# Altium PCB RobotCar_PCBDoc.PcbDoc
Units mm, origin at the board's own origin, x right, y up, seen from the top; angles counter-clockwise.
Board outline 169 x 13 mm, 4 copper layers (Top Layer, Layer 1, Layer 2, Bottom Layer), stack 0.603 mm thick; 42 components, 34 nets, 273 pads, 92 vias.
Unrouted connection lines stored in the file: 1.
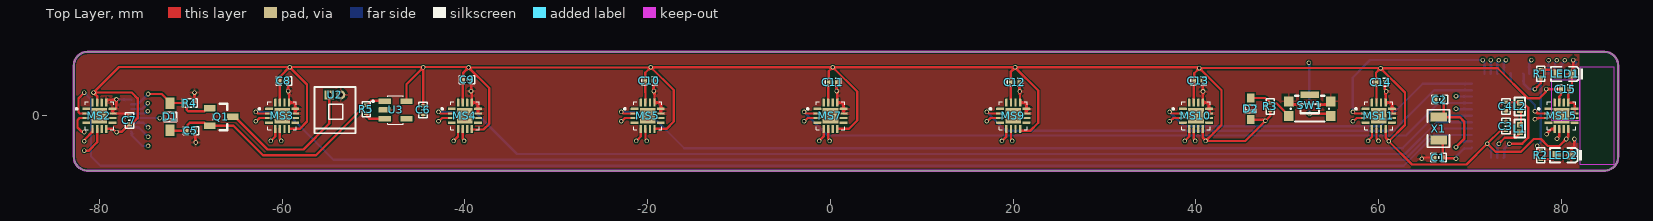
[diagram p0: Top Layer view]
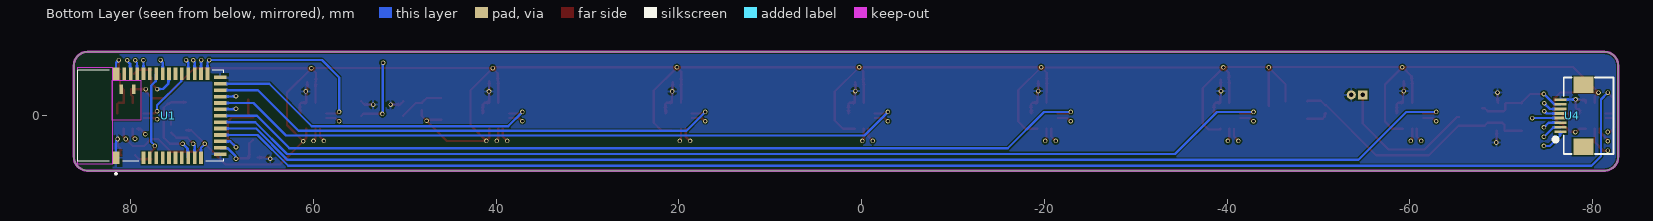
[diagram p1: Bottom Layer view, seen from below]
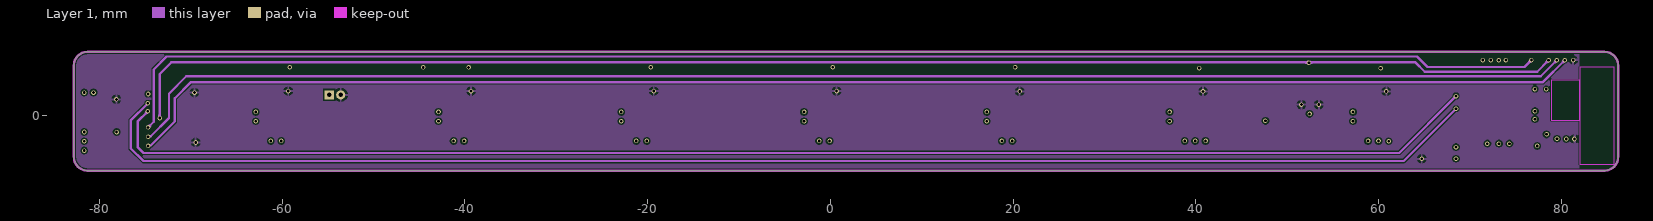
[diagram p2: Layer 1]
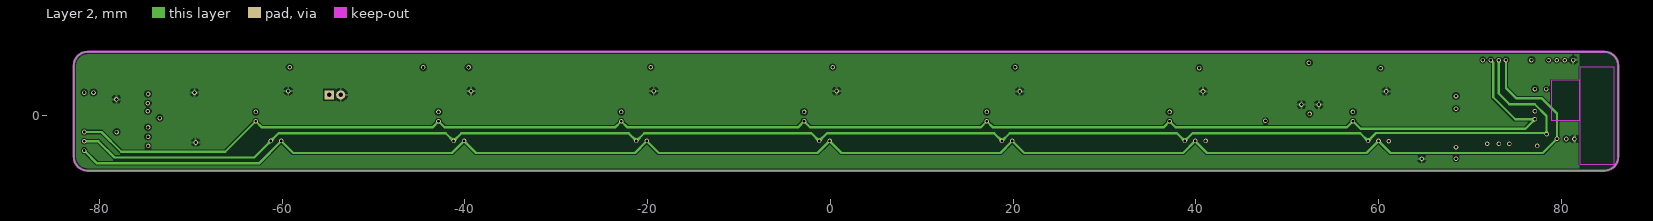
[diagram p3: Layer 2]
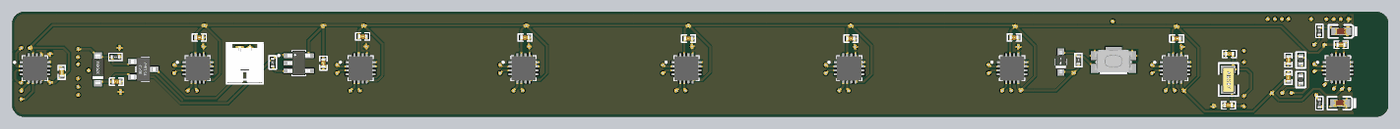
[diagram p4: 3D render of the assembled board from above, using the file's embedded part models]

## Layer stack, top to bottom
Top Solder: solder mask 0.0102, Solder Resist, Dk 3.5
Top Layer: signal copper 0.0356
Dielectric 2: prepreg 0.0711, PP-006, Dk 4.1
Layer 1: signal copper 0.035
Dielectric 1: dielectric 0.32, FR-4, Dk 4.8
Layer 2: signal copper 0.035
Dielectric 3: prepreg 0.0711, PP-006, Dk 4.1
Bottom Layer: signal copper 0.0356
Bottom Solder: solder mask 0.0102, Solder Resist, Dk 3.5

## Board outline
-82.8,-4.5 ccw(c-81.3,-4.5) -81.3,-6 84.7,-6 ccw(c84.7,-4.5) 86.2,-4.5 86.2,5.5 ccw(c84.7,5.5) 84.7,7 -81.3,7 ccw(c-81.3,5.5) -82.8,5.5

## Design rules (kind name [scope] priority, off if disabled: settings)
Clearance [All] p1: gap=0.15 ignorepadtopadclearanceinfootprint=FALSE
PolygonConnect [All] p1: connectstyle=Relief reliefconductorwidth=0.254 reliefentries=4 polygonreliefangle="90 Angle" airgapwidth=0.254
RoutingVias [All] p1: holewidth=0.711 width=1.27 viastyle="Through Hole" minholewidth=0.711 minwidth=1.27 maxholewidth=0.711 maxwidth=1.27
SolderMaskExpansion [All] p1: expansion=0.102 istentingtop=FALSE
Width [All] p1: maxlimit=0.254 minlimit=0.254 preferedwidth=0.254
30 further rules are at their usual default settings.

## Components (designator, comment, footprint, x,y, rotation, side; value= is the part's Value field where it differs from the comment)
C1 "12pF" 0402_C 66.548,-4.572 r0 top
C2 "12pF" 0402_C 66.675,1.778 r0 top
C3 "10uF" 0402_C 73.914,-1.143 r90 top
C4 "1uF" 0402_C 73.914,1.016 r270 top
C5 "10uF" 0402_C -69.977,-1.651 r180 top
C6 "10uF" 0402_C -44.577,0.635 r90 top
C7 "0.1uF" 0402_C -76.708,-0.508 r270 top
C8 "0.1uF" 0402_C -59.817,3.81 r180 top
C9 "0.1uF" 0402_C -39.751,3.937 r180 top
C10 "0.1uF" 0402_C -19.812,3.81 r180 top
C11 "0.1uF" 0402_C 0.254,3.683 r180 top
C12 "0.1uF" 0402_C 20.193,3.683 r180 top
C13 "0.1uF" 0402_C 40.259,3.81 r180 top
C14 "0.1uF" 0402_C 60.198,3.683 r180 top
C15 "0.1uF" 0402_C 80.391,2.921 r180 top
D1 "LMBR120FT1G" SOD-123 -72.263,-0.127 r90 top
D2 "1N4148" SOD-323F 45.974,0.762 r90 top
L1 "10uH" 0402_L 75.438,-1.397 r90 top
L2 "15nH" 0402_L 75.438,1.016 r90 top
LED1 "RED" 0603_LED_S1 80.383,4.572 r180 top
LED2 "BLUE" 0603_LED_S1 80.256,-4.318 r180 top
MS2 "MLX90393SLW ABA 011 RE" VQFN-16_EP_3.0x3.0xo.5P -80,0 r0 top locked
MS3 "MLX90393SLW ABA 011 RE" VQFN-16_EP_3.0x3.0xo.5P -60,0 r0 top locked
MS4 "MLX90393SLW ABA 011 RE" VQFN-16_EP_3.0x3.0xo.5P -40,0 r0 top locked
MS5 "MLX90393SLW ABA 011 RE" VQFN-16_EP_3.0x3.0xo.5P -20,0 r0 top locked
MS7 "MLX90393SLW ABA 011 RE" VQFN-16_EP_3.0x3.0xo.5P 0,0 r0 top locked
MS9 "MLX90393SLW ABA 011 RE" VQFN-16_EP_3.0x3.0xo.5P 20,0 r0 top locked
MS10 "MLX90393SLW ABA 011 RE" VQFN-16_EP_3.0x3.0xo.5P 40,0 r0 top locked
MS11 "MLX90393SLW ABA 011 RE" VQFN-16_EP_3.0x3.0xo.5P 60,0 r0 top locked
MS15 "MLX90393SLW ABA 011 RE" VQFN-16_EP_3.0x3.0xo.5P 80,0 r0 top locked
Q1 "SI2301CDS-T1-GE3" SOT-23(SOT-23-3) -66.675,-0.127 r180 top
R1 "1KΩ" 0402_R 77.724,4.616 r90 top
R2 "1KΩ" 0402_R 77.724,-4.318 r270 top
R3 "10KΩ" 0402_R 48.133,1.016 r90 top
R4 "100KΩ" 0402_R -70.104,1.397 r180 top
R5 "100KΩ" 0402_R -50.8,0.718 r90 top
SW1 "KMR231GLFS" KMR231GLFS 52.451,1.143 r0 top
U1 "MDBT42Q-512KV2" SMD_10.0X16.0 75.876,0 r90 bottom locked
U2 "CELL HOLDER" "BAT_MX 1.25-WI-2P" -54.219,2.286 r0 top
U3 "AP2112K-3.3TRG1" SOT95P285X140-5N -47.583,0.635 r0 top
U4 "USB_CHARGING_BOARD" "FPC0.5 2H-WS-8P" -78.994,0 r90 bottom
X1 "32.768KHz" "SMD-3215_2P FC - 135" 66.548,-1.397 r270 top

## Footprints (in the part's own frame and the unit in brackets; to place one, negate y for a bottom-side part, rotate by r counter-clockwise, add the part's x,y. Pads: shape width x height; smd on the part's side, far side on the other; paste and mask are expansions set on the pad)
0402_C [mm] "无极性贴片电容"
  rect 0.4x0.5 smd: 1(-0.45,0) 2(0.45,0)
  silkscreen extent -0.85,-0.45 0.85,0.45, body extent -0.5,-0.26 0.5,0.26, height 0.54
0402_L [mm]
  rect 0.6x0.65 smd mask+0.051: 1(-0.425,0) 2(0.425,0)
  silkscreen extent -0.97,-0.58 0.97,0.58, body extent -0.51,-0.26 0.54,0.26, height 0.36
0402_R [mm] "1/16W贴片电阻"
  rect 0.4x0.5 smd: 1(-0.425,0) 2(0.425,0)
  silkscreen extent -0.82,-0.45 0.83,0.45, body extent -0.5,-0.25 0.5,0.25, height 0.3
0603_LED_S1 [mm]
  rect 0.93x0.98 smd: A(0.77,0) K(-0.77,0)
  silkscreen extent -1.97,-0.79 1.54,0.79, body extent -0.8,-0.4 0.8,0.4, height 0.6
"BAT_MX 1.25-WI-2P" [mm] "长：4.25mm，宽：1.8mm，高：3.3mm"
  rect 1x1 hole 0.5: 1(-0.625,0)
  round 1 hole 0.5: 2(0.625,0)
  silkscreen extent -2.24,-4.19 2.24,0.85, body extent -2.12,-4.05 2.13,0.85, height 3.35
"FPC0.5 2H-WS-8P" [mm] "长：8.2mm，宽：5.2mm，高：2mm 淘宝ID:黄晶宝石   店铺网址:https://shop463601444.taobao.com"
  rect 1.8x2.2 smd: 0(-3.4,0) 0(3.4,0)
  rect 0.3x1.3 smd: 1(-1.75,2.497) 2(-1.25,2.497) 3(-0.75,2.497) 4(-0.25,2.497) 5(0.25,2.497) 6(0.75,2.497) 7(1.25,2.497) 8(1.75,2.497)
  silkscreen extent -4.17,-3.3 4.17,3.23, body extent -3.75,-2.99 3.75,2.41, height 2.92
KMR231GLFS [mm]
  rect 1x1.1 smd: 1(-2.3,-1.162) 2(-2.3,0.438) 3(2.3,-1.162) 4(2.3,0.438)
  rect 2x0.7 smd: 5(0,1.162)
  silkscreen extent -2.1,-1.76 2.1,1.04, body extent -2.31,-1.65 2.29,1.15, height 1.92
"SMD-3215_2P FC - 135" [mm]
  rect 1x1.8 smd: 1(-1.25,0) 2(1.25,0)
  silkscreen extent -2.05,-1.2 2.05,1.2, body extent -1.55,-0.75 1.65,0.75, height 0.89
SMD_10.0X16.0 [mm]
  rect 1.4x0.8 smd: 1(-4.6,5.7) 39(4.6,5.7)
  rect 1.4x0.4 smd: 2(-4.6,2.7) 3(-4.6,2) 4(-4.6,1.3) 5(-4.6,0.6) 6(-4.6,-0.1) 7(-4.6,-0.8) 8(-4.6,-1.5) 9(-4.6,-2.2) 10(-4.6,-2.9) 11(-4.6,-3.6) 25(4.6,-4.3) 26(4.6,-3.6) 27(4.6,-2.9) 28(4.6,-2.2) 29(4.6,-1.5) 30(4.6,-0.8) 31(4.6,-0.1) 32(4.6,0.6) 33(4.6,1.3) 34(4.6,2) 35(4.6,2.7) 36(4.6,3.4) 37(4.6,4.1) 38(4.6,4.8)
  rect 0.4x1.4 smd: 12(-4.2,-5.7) 13(-3.5,-5.7) 14(-2.8,-5.7) 15(-2.1,-5.7) 16(-1.4,-5.7) 17(-0.7,-5.7) 18(0,-5.7) 19(0.7,-5.7) 20(1.4,-5.7) 21(2.1,-5.7) 22(2.8,-5.7) 23(3.5,-5.7) 24(4.2,-5.7)
  rect 1x0.4 smd: 40(2.9,5.15) 41(2.9,3.75)
  Keep-Out Layer region: 5.3,6.1 -5.3,6.1 -5.3,9.9 5.3,9.9
  Keep-Out Layer region: 5.3,6.1 -5.3,6.1 -5.3,9.9 5.3,9.9
  Keep-Out Layer region: 3.9,3 -0.5,3 -0.5,6.1 3.9,6.1
  Keep-Out Layer region: 5.3,6.1 -5.3,6.1 -5.3,9.9 5.3,9.9
  silkscreen extent -6.45,-6.1 5,9.9, body extent -5,-6.09 5,9.9, height 2.2
SOD-123 [mm]
  rect 1.25x1 smd: 1(1.475,0) 2(-1.475,0)
  silkscreen extent -0.5,-0.7 0.5,0.7, body extent -1.85,-0.77 1.85,0.78, height 1.35
SOD-323F [mm]
  rect 1x0.83 smd: 1(1.18,0) 2(-1.18,0)
  silkscreen extent -0.4,-0.6 0.4,0.6, body extent -1.4,-0.67 1.4,0.68, height 0.75
SOT95P285X140-5N [mm]
  rrect15% 1.35x0.6 smd: 1(-1.185,0.95) 2(-1.185,0) 3(-1.185,-0.95) 4(1.185,-0.95) 5(1.185,0.95)
  silkscreen extent -2.57,-1.55 0.85,1.55, body extent -1.4,-1.5 1.4,1.5, height 1.4
SOT-23(SOT-23-3) [mm]
  rect 1.25x0.7 smd: 1(1.25,-0.95) 2(1.25,0.95) 3(-1.25,0)
  silkscreen extent -0.65,-1.46 0.9,1.46, body extent -1.5,-1.5 1.5,1.5, height 1.3
VQFN-16_EP_3.0x3.0xo.5P [mm]
  rrect25% 0.86x0.26 smd: 1(-1.435,0.75) 2(-1.435,0.25) 3(-1.435,-0.25) 4(-1.435,-0.75) 9(1.435,-0.75) 10(1.435,-0.25) 11(1.435,0.25) 12(1.435,0.75)
  rrect25% 0.26x0.86 smd: 5(-0.75,-1.435) 6(-0.25,-1.435) 7(0.25,-1.435) 8(0.75,-1.435) 13(0.75,1.435) 14(0.25,1.435) 15(-0.25,1.435) 16(-0.75,1.435)
  rect 1.71x1.71 smd paste-2: 17(0,0)
  silkscreen extent -2.59,-1.55 1.55,1.55, body extent -1.55,-1.55 1.55,1.55, height 1

## Part data
C1 C2: library part CAP_12pF, "capacitance"
C3 C4 C5 C6: library part CAP_10uF, "capacitance", Package=0805, SuppliersPartNumber=C15850, ComponentLink1Description=供应商链接, ComponentLink1URL=http://www.szlcsc.com/product/details_16532.html, Supplier=LC
C7 C8 C9 C10 C11 C12 C13 C14 C15: library part CAP_1uF, "capacitance", Package=0603, SuppliersPartNumber=C15849, ComponentLink1Description=供应商链接, ComponentLink1URL=http://www.szlcsc.com/product/details_16531.html, Supplier=LC
D1: library part DIO_5, "schottky diode", Package=SOD-123, SuppliersPartNumber=C8598, ComponentLink1Description=供应商链接, ComponentLink1URL=http://www.szlcsc.com/product/details_9093.html, Supplier=LC
D2: library part DIO_4, "diode", Package=SOD-323, SuppliersPartNumber=C2128, ComponentLink1Description=供应商链接, ComponentLink1URL=http://www.szlcsc.com/product/details_2485.html, Supplier=LC
L1: library part IND_10uH, "inductance", Package=0805, SuppliersPartNumber=C1046, ComponentLink1Description=供应商链接, ComponentLink1URL=http://www.szlcsc.com/product/details_1398.html, Supplier=LC
L2: library part IND_15nH, "inductance", Package=0805, SuppliersPartNumber=C1046, ComponentLink1Description=供应商链接, ComponentLink1URL=http://www.szlcsc.com/product/details_1398.html, Supplier=LC
LED1: library part LED_RED, "LED", Package=0603, SuppliersPartNumber=C2286, ComponentLink1Description=供应商链接, ComponentLink1URL=http://www.szlcsc.com/product/details_2659.html, Supplier=LC
LED2: library part LED_BLUE, "LED", Package=0603, SuppliersPartNumber=C72041, ComponentLink1Description=供应商链接, ComponentLink1URL=http://www.szlcsc.com/product/details_73150.html, Supplier=LC
MS2 MS3 MS4 MS5 MS7 MS9 MS10 MS11 MS15: "sensor"
Q1: library part MOS, "field effect tube", Package=SOT-23(SOT-23-3), SuppliersPartNumber=C10487, ComponentLink1Description=供应商链接, ComponentLink1URL=http://www.szlcsc.com/product/details_11030.html, Supplier=LC
R1 R2 R3: library part RES_1KΩ, "resistance", Package=0603, SuppliersPartNumber=C25819, ComponentLink1Description=供应商链接, ComponentLink1URL=http://www.szlcsc.com/product/details_26562.html, Supplier=LC
R4 R5: library part RES_100KΩ, "resistance", Package=0603, SuppliersPartNumber=C25819, ComponentLink1Description=供应商链接, ComponentLink1URL=http://www.szlcsc.com/product/details_26562.html, Supplier=LC
SW1: "Tactile Switch SPST-NO Top Actuated Surface Mount"
U1: "RAYTAC  MDBT42Q-512KV2 Bluetooth Low Energy Module https://www.raytac.com/product/ins.php?index_id=31 https://www.snapeda.com/parts/MDBT42Q-512KV2/Raytac%20Corporation/view-part/?ref=search&t=MDBT42Q-512KV2"
U2: library part BAT, "button cell battary holder BS-08-B2AA025"
U3: library part AP2112K, "LDO_ low dropout linear regulator"
X1: library part ABS07-32.768KHZ-7-T, "crystal", Package=SMD-3215_2P, SuppliersPartNumber=C32346, ComponentLink1Description=供应商链接, ComponentLink1URL=http://www.szlcsc.com/product/details_33310.html, Supplier=LC

## Via types
v1: diameter 0.5, hole 0.3, Top Layer to Bottom Layer, 92 vias

## Nets (pads, with @x,y where several pads share a name; then routed paths per layer and width w, separated by ;. In a path a pad name is that pad's centre, name@x,y a point inside that pad or via, vN(x,y) a via of type N, cw(c..) or ccw(c..) an arc to the next point about the centre after c; other vN are vias at no path point)
2: MS2.2 U1.15 | length 163.5
  Top Layer w0.254: v1(-81.661,2.54) -82.296,1.905 -82.296,0.402 -82.147,0.253 -81.438,0.253 MS2.2
  Bottom Layer w0.254: v1(-81.661,2.54) -80.911,1.79 -80.911,-4.433 -79.883,-5.461 62.738,-5.461 66.099,-2.1 U1.15
3: MS3.2 U1.16 | length 138.2
  Top Layer w0.254: v1(-62.89,0.42) -62.823,0.42 -62.654,0.25 MS3.2
  Bottom Layer w0.254: v1(-62.89,0.42) -59.602,0.42 -54.356,-4.826 62.801,-4.826 66.227,-1.4 U1.16
3V3: C3.1 C6.2 C7.2 C8.2 C9.2 C10.2 C11.2 C12.2 C13.2 C14.2 C15.2 D2.2 MS2.8 MS2.15 MS3.8 MS3.15 MS4.8 MS4.15 MS5.8 MS5.15 MS7.8 MS7.15 MS9.8 MS9.15 MS10.8 MS10.15 MS11.8 MS11.15 MS15.8 MS15.15 R3.1 U1.11 U3.5 | length 323.8
  Top Layer w0.254: MS2.15 -80.25,2.145 v1(-80.645,2.54) ; MS2.8 -78.529,-1.435 -78.183,-1.781 v1(-78.116,-1.781) -78.069,-1.734 -77.534,-1.734 -76.685,-0.885 -76.45,-0.885 -75.819,-0.254 -75.819,1.905 -76.454,2.54 v1(-80.645,2.54) ; MS3.15 -60.25,1.735 -60.267,1.752 C8.2 -60.194,3.883 -60.194,4.322 v1@-59.182,5.334 ; MS3.8 -58.077,-1.435 -57.277,-0.635 -57.277,3.429 v1@-59.182,5.334 ; v1(-59.182,5.315) -59.201,5.334 -77.851,5.334 v1(-80.645,2.54) ; U3.5 -46.398,3.444 v1@-44.565,5.277 ; C6.2 -44.565,1.096 v1@-44.565,5.277 ; v1(-44.554,5.288) v1@-44.565,5.277 ; MS4.15 -40.25,3.888 C9.2 -40.201,4.688 v1(-39.601,5.288) ; MS4.8 -39.25,-1.502 -39.247,-1.505 -37.954,-1.505 -37.338,-0.889 -37.338,3.025 v1(-39.601,5.288) ; MS5.15 -20.25,2.539 -20.262,2.551 C10.2 -20.262,4.713 v1@-19.657,5.318 ; v1(-19.657,5.315) -19.684,5.288 v1(-39.601,5.288) ; MS5.8 -17.945,-1.435 -17.145,-0.635 -17.145,2.809 -19.657,5.321 0.235,5.321 v1(0.241,5.315) ; MS7.15 -0.25,3.629 C11.2 -0.196,4.884 v1@0.241,5.321 ; MS7.8 1.994,-1.435 2.921,-0.508 2.921,2.641 v1@0.241,5.321 ; MS9.15 19.747,1.438 19.747,1.799 19.743,1.803 C12.2 19.743,4.835 v1(20.206,5.297) ; v1@20.18,5.321 v1@0.241,5.321 ; MS9.8@20.75,-1.651 21.844,-1.651 22.733,-0.762 22.733,2.77 v1(20.206,5.297) ; MS10.15 C13.2@39.75,3.81 ; C13.2 39.809,4.664 v1(40.365,5.22) ; v1@40.365,5.297 v1(20.206,5.297) ; MS10.8 40.75,-2.392 41.047,-2.689 v1(41.047,-2.755) ; D2.2 47.397,-0.418 47.534,-0.555 v1(47.601,-0.555) ; R3.1 48.133,-0.022 v1(47.601,-0.555) ; MS11.15 59.75,2.54 59.748,2.542 C14.2 59.69,3.741 59.69,4.699 v1(60.198,5.207) ; MS11.8 60.75,-2.39 61.087,-2.727 v1(61.087,-2.794) ; C3.1 73.337,-1.593 v1(71.882,-3.048) ; v1(78.334,2.918) 78.287,2.871 78.287,2.638 77.553,1.905 76.327,1.905 73.025,5.207 v1(60.198,5.207) ; v1@78.335,2.919 79.939,2.919 C15.2 79.941,2.29 79.753,2.102 79.753,1.438 MS15.15 ; MS15.8 80.747,-1.438 80.747,-2.244 80.518,-2.473 v1(80.518,-2.54) 79.756,-3.302 78.503,-3.302 77.741,-2.54 76.962,-2.54 75.565,-3.937 72.771,-3.937 v1(71.882,-3.048) ; v1@-59.182,5.334 -39.647,5.334 v1(-39.601,5.288) ; v1(40.365,5.22) 60.185,5.22 v1(60.198,5.207) ; v1(40.365,5.22) 42.799,2.785 42.799,-1.004 41.877,-1.926 v1(41.047,-2.755) ; v1(41.047,-2.755) 45.4,-2.755 v1(47.601,-0.555) ; v1(60.198,5.207) 62.865,2.54 62.865,-1.016 v1(61.087,-2.794) ; v1(61.087,-2.794) 63.627,-5.334 69.596,-5.334 v1(71.882,-3.048)
  Bottom Layer w0.254: v1(71.882,-3.048) 71.882,-3.115 72.276,-3.509 U1.11
4: MS4.2 U1.17 | length 117.9
  Top Layer w0.254: v1(-42.89,0.42) -42.823,0.42 -42.654,0.25 MS4.2
  Bottom Layer w0.254: v1(-42.89,0.42) -38.901,0.42 -34.29,-4.191 62.865,-4.191 66.356,-0.7 U1.17
5: MS5.2 U1.18 | length 97.7
  Top Layer w0.254: v1(-22.89,0.42) -22.823,0.42 -22.654,0.25 MS5.2
  Bottom Layer w0.254: v1(-22.89,0.42) -19.978,0.42 -16.002,-3.556 62.611,-3.556 66.167,0 U1.18
7: MS7.2 U1.20 | length 77.1
  Top Layer w0.254: v1(-2.89,0.42) -2.823,0.42 -2.654,0.25 MS7.2
  Bottom Layer w0.254: v1(-2.89,0.42) -0.311,-2.159 62.992,-2.159 66.551,1.4 U1.20 U1.20@70.177,1.398
9: MS9.2 U1.22 | length 57.3
  Top Layer w0.254: v1(17.11,0.42) 17.177,0.42 17.346,0.25 MS9.2
  Bottom Layer w0.254: v1(17.11,0.42) 19.181,-1.651 61.595,-1.651 66.046,2.8 U1.22 U1.22@70.179,2.797
10: MS10.2 U1.23 | length 37.2
  Top Layer w0.254: v1(37.11,0.42) 37.177,0.42 37.346,0.25 MS10.2
  Bottom Layer w0.254: v1(37.11,0.42) 38.673,-1.143 60.165,-1.143 64.808,3.5 U1.23
11: MS11.2 U1.25 | length 21.8
  Top Layer w0.254: v1(57.176,0.42) 57.243,0.42 57.412,0.25 MS11.2
  Bottom Layer w0.254: v1(57.176,0.42) 57.15,0.446 57.15,4.191 59.055,6.096 v1(71.374,6.096) 71.374,6.029 71.576,5.827 U1.25
15: MS15.2 U1.29 | length 6.9
  Top Layer w0.254: v1(77.089,0.508) 77.156,0.508 77.414,0.25 MS15.2
  Bottom Layer w0.254: U1.29@74.443,4.667 U1.29 74.449,4.527 74.449,3.783 77.089,1.143 v1(77.089,0.508)
GND: C1.1 C2.1 C3.2 C4.2 C5.1 C6.1 C7.1 C8.1 C9.1 C10.1 C11.1 C12.1 C13.1 C14.1 C15.1 LED1.K LED2.K MS2.11 MS2.12 MS2.13 MS3.11 MS3.12 MS3.13 MS4.11 MS4.12 MS4.13 MS5.11 MS5.12 MS5.13 MS7.11 MS7.12 MS7.13 MS9.11 MS9.12 MS9.13 MS10.11 MS10.12 MS10.13 MS11.11 MS11.12 MS11.13 MS15.11 MS15.12 MS15.13 R4.1 SW1.2 SW1.4 U1.1 U1.12 U1.24 U1.39 U2.2 U3.2 U4.8 | length 55.3
  Top Layer w0.254: MS2.13 -79.25,1.724 -79.247,1.727 -78.273,1.727 -78.253,1.747 -78.159,1.747 v1@-78.14,1.727 ; v1(-78.14,1.794) -78.14,0.875 -78.265,0.75 MS2.12 MS2.11 -77.066,0.25 -76.758,-0.058 C7.1 ; R4.1 -69.606,1.47 -69.606,1.899 -69.596,1.909 v1(-69.596,2.54) ; C5.1 -69.498,-1.68 -69.498,-2.892 v1(-69.469,-2.921) ; C8.1 -59.35,3.793 -59.35,2.722 v1(-59.334,2.706) -59.334,2.639 -59.25,2.555 MS3.13 -58.714,1.435 -58.565,1.286 MS3.12 MS3.11 ; v1(-39.334,2.706) -39.334,2.639 -39.25,2.555 MS4.13 -38.773,1.435 -38.565,1.227 MS4.12 MS4.11 ; v1@-39.301,2.886 C9.1 ; C10.1 -19.348,3.796 -19.348,2.72 v1(-19.334,2.706) -19.334,2.639 -19.25,2.555 MS5.13 -18.707,1.435 -18.542,1.27 -18.542,0.753 -18.545,0.75 MS5.12 MS5.11 ; C11.1 0.666,3.645 0.666,2.639 0.75,2.555 MS7.13 1.286,1.435 1.435,1.286 MS7.12 MS7.11 ; C12.1 20.672,3.654 20.672,2.696 v1(20.701,2.667) 20.747,2.621 20.747,1.438 MS9.13 21.298,1.435 21.463,1.27 21.463,0.753 21.46,0.75 MS9.12 MS9.11 ; C13.1 40.738,3.781 40.738,2.696 v1(40.767,2.667) 40.753,2.653 40.753,1.438 MS10.13 41.237,1.435 41.435,1.237 MS10.12 MS10.11 ; SW1.2 50.509,1.223 v1(51.538,1.223) ; v1(53.443,1.223) 54.393,1.223 SW1.4 ; C14.1 60.648,2.919 60.833,2.734 v1(60.833,2.667) 60.833,2.6 60.75,2.517 MS11.13 61.303,1.435 61.468,1.27 61.468,0.753 61.465,0.75 MS11.12 MS11.11 ; v1(64.701,-4.713) 64.767,-4.713 64.908,-4.572 C1.1 ; LED2.K 81.094,-4.25 81.094,-3.596 81.407,-3.283 v1(81.407,-2.54) ; v1(81.28,6.096) 81.28,4.699 LED1.K 81.153,3.283 80.841,2.971 80.841,2.871 80.75,2.78 MS15.13 81.286,1.435 81.435,1.286 MS15.12 MS15.11
  Bottom Layer w0.254: v1(-78.14,1.794) -78.118,1.772 -76.519,1.772 U4.8 ; v1(81.28,6.096) 81.576,5.8 U1.39 ; v1(81.407,-2.54) 81.407,-2.607 81.576,-2.776 U1.1
  other v1: 0.666,2.706
MISO: MS2.6 MS3.6 MS4.6 MS5.6 MS7.6 MS9.6 MS10.6 MS11.6 MS15.6 U1.28 | length 198.8
  Top Layer w0.254: v1(-81.661,-3.81) -81.153,-3.81 -80.25,-2.907 MS2.6 ; MS3.6 -60.25,-2.535 -60.096,-2.689 v1(-60.096,-2.755) ; MS4.6 -40.25,-2.535 -40.096,-2.689 v1(-40.096,-2.755) ; MS5.6 -20.25,-2.535 -20.096,-2.689 v1(-20.096,-2.755) ; MS7.6 -0.25,-2.535 -0.096,-2.689 v1(-0.096,-2.755) ; MS9.6 19.75,-2.535 19.904,-2.689 v1(19.904,-2.755) ; MS10.6 39.75,-2.535 39.904,-2.689 v1(39.904,-2.755) ; MS11.6 59.75,-2.469 59.97,-2.689 v1(59.97,-2.755) ; v1(79.502,-2.517) 79.502,-2.494 79.75,-2.246 MS15.6
  Layer 2 w0.254: v1(-81.661,-3.81) -80.264,-5.207 -62.547,-5.207 v1(-60.096,-2.755) -58.787,-4.064 -41.404,-4.064 v1(-40.096,-2.755) -38.787,-4.064 -21.404,-4.064 v1(-20.096,-2.755) -18.787,-4.064 -1.404,-4.064 v1(-0.096,-2.755) 1.213,-4.064 18.596,-4.064 v1(19.904,-2.755) 21.213,-4.064 38.596,-4.064 v1(39.904,-2.755) 41.213,-4.064 58.662,-4.064 v1(59.97,-2.755) 61.279,-4.064 77.955,-4.064 v1(79.502,-2.517) 79.502,0.254 77.851,1.905 75.057,1.905 73.914,3.048 v1(73.914,6.096)
  Bottom Layer w0.254: U1.28 73.676,5.791 73.914,6.029 v1(73.914,6.096)
MOSI: MS2.5 MS3.5 MS4.5 MS5.5 MS7.5 MS9.5 MS10.5 MS11.5 MS15.5 U1.27 | length 193.2
  Top Layer w0.254: v1(-81.661,-2.794) -81.614,-2.747 -81.614,-2.599 -80.75,-1.735 MS2.5 ; v1(-61.239,-2.755) -60.75,-2.267 MS3.5 ; v1(-41.239,-2.755) -40.75,-2.267 MS4.5 ; v1(-21.239,-2.755) -20.75,-2.267 MS5.5 ; v1(-1.239,-2.755) -0.75,-2.267 MS7.5 ; v1(18.761,-2.755) 19.25,-2.267 MS9.5 ; v1(38.761,-2.755) 39.25,-2.267 MS10.5 ; v1(58.827,-2.755) 58.827,-2.709 59.25,-2.286 MS11.5 ; v1(78.359,-2.032) 78.359,-1.975 78.888,-1.446 79.247,-1.446 79.247,-1.438 MS15.5
  Layer 2 w0.254: v1(-81.661,-2.794) -80.137,-2.794 -78.359,-4.572 -63.055,-4.572 v1(-61.239,-2.755) -60.388,-1.905 -42.089,-1.905 v1(-41.239,-2.755) -40.388,-1.905 -22.089,-1.905 v1(-21.239,-2.755) -20.388,-1.905 -2.089,-1.905 v1(-1.239,-2.755) -0.388,-1.905 17.911,-1.905 v1(18.761,-2.755) 19.612,-1.905 37.911,-1.905 v1(38.761,-2.755) 39.612,-1.905 57.977,-1.905 v1(58.827,-2.755) 59.697,-1.886 78.146,-1.886 78.292,-2.032 v1(78.359,-2.032) 78.359,-0.017 77.072,1.27 74.295,1.27 73.137,2.428 v1(73.137,6.081)
  Bottom Layer w0.254: U1.27 72.976,5.854 73.137,6.015 v1(73.137,6.081)
NetC1_2: C1.2 U1.13 X1.2 | length 6.1
  Top Layer w0.254: X1.2 66.625,-2.647 66.998,-3.02 66.998,-4.622 67.028,-4.652 68.406,-4.652 v1(68.453,-4.699)
  Bottom Layer w0.254: v1(68.453,-4.699) 68.5,-4.652 68.5,-4.398 69.325,-3.573 70.103,-3.573 U1.13
NetC2_2: C2.2 U1.14 X1.1 | length 10.2
  Top Layer w0.254: X1.1 X1.1@66.752,-0.147 ; C2.2 67.125,0.226 X1.1@66.752,-0.147 ; v1(68.453,-3.429) 69.342,-2.54 69.342,-0.635 68.854,-0.147 X1.1@66.752,-0.147
  Bottom Layer w0.254: v1(68.453,-3.429) 69.082,-2.8 U1.14
NetC4_1: C4.1 L2.2 U1.9 | length 10.1
  Top Layer w0.254: C4.1 73.923,1.475 75.555,1.475 75.719,1.312 75.905,1.312 76.349,0.868 76.349,-2.391 75.692,-3.048 v1(74.295,-3.048)
  Bottom Layer w0.254: U1.9 73.749,-4.527 73.749,-3.594 v1(74.295,-3.048)
NetC5_2: C5.2 D1.2 Q1.2 R5.2 U3.1 | length 28.2
  Top Layer w0.254: D1.2 -72.214,-1.651 C5.2 -70.362,-1.586 -70.362,-1.02 -70.104,-0.762 -68.515,-0.762 -68.2,-1.077 -65.344,-1.077 -62.103,-4.318 -56.311,-4.318 -50.85,1.143 R5.2 -50.75,1.143 -50.242,1.651 -48.834,1.651 U3.1
NetD2_1: D2.1 R3.2 SW1.1 | length 5
  Top Layer w0.254: D2.1 47.582,1.942 48.083,1.441 R3.2 48.177,1.397 48.785,1.397 50.151,0.031 SW1.1
NetL1_1: L1.1 U1.10 | length 4.5
  Top Layer w0.254: v1(73.152,-3.048) 73.789,-2.411 74.976,-2.411 L1.1@75.565,-1.822
  Bottom Layer w0.254: U1.10 72.976,-3.291 73.152,-3.115 v1(73.152,-3.048)
NetL1_2: L1.2 L2.1 | length 1.6
  Top Layer w0.254: L1.2@75.565,-0.972 L2.1@75.565,0.635
NetLED1_A: LED1.A R1.2 | length 2.1
  Top Layer w0.254: R1.2 79.169,5.041 79.613,4.597 LED1.A
NetLED2_A: LED2.A R2.2 | length 2
  Top Layer w0.254: R2.2 79.086,-4.743 79.486,-4.343 LED2.A
NetR1_1: R1.1 U1.31 | length 4.1
  Top Layer w0.254: v1(77.089,2.921) 77.724,3.556 R1.1
  Bottom Layer w0.254: U1.31 75.849,4.527 75.849,3.526 76.454,2.921 v1(77.089,2.921)
NetR2_1: R2.1 U1.33 | length 9.1
  Top Layer w0.254: v1(77.343,-3.302) 77.39,-3.349 77.39,-3.609 77.674,-3.893 R2.1
  Bottom Layer w0.254: U1.33 77.249,4.527 77.249,3.777 77.724,3.302 77.724,-2.854 77.343,-3.235 v1(77.343,-3.302)
NetR5_1: R5.1 U3.3 | length 2.5
  Top Layer w0.254: R5.1 -50.75,0.293 -50.677,0.22 -50.677,-0.105 -50.467,-0.315 U3.3
RESET: SW1.3 U1.35 U4.4 | length 170.9
  Top Layer w0.254: v1(52.427,0.207) 54.525,0.207 SW1.3
  Layer 1 w0.254: v1(-73.406,-0.254) -73.406,4.572 -72.136,5.842 64.008,5.842 65.024,4.826 77.337,4.826 v1(78.585,6.073)
  Bottom Layer w0.254: U4.4 -76.495,-0.252 -73.408,-0.252 v1(-73.406,-0.254) ; v1(52.359,5.804) 52.393,5.771 52.393,0.241 v1(52.427,0.207) ; U1.35 78.58,4.604 78.58,6.069 v1(78.585,6.073)
RXD: U1.21 U4.5 | length 155.2
  Layer 1 w0.254: v1(-74.695,0.508) -74.695,0.489 -75.819,-0.635 -75.819,-3.429 -75.184,-4.064 62.23,-4.064 v1(68.453,2.159)
  Bottom Layer w0.254: U4.5 -75.001,0.25 -74.743,0.508 v1(-74.695,0.508) ; v1(68.453,2.159) 68.52,2.159 68.579,2.1 U1.21
SCL: MS2.3 MS3.3 MS4.3 MS5.3 MS7.3 MS9.3 MS10.3 MS11.3 MS15.3 U1.26 | length 191.8
  Top Layer w0.254: v1(-81.661,-1.778) -81.708,-1.731 -81.962,-1.731 -82.396,-1.297 -82.396,-0.481 -82.165,-0.25 MS2.3 ; v1(-62.89,-0.596) -62.823,-0.596 -62.477,-0.25 MS3.3 ; v1(-42.89,-0.596) -42.823,-0.596 -42.477,-0.25 MS4.3 ; v1(-22.89,-0.596) -22.823,-0.596 -22.477,-0.25 MS5.3 ; v1(-2.89,-0.596) -2.823,-0.596 -2.477,-0.25 MS7.3 ; v1(17.11,-0.596) 17.177,-0.596 17.523,-0.25 MS9.3 ; v1(37.11,-0.596) 37.177,-0.596 37.523,-0.25 MS10.3 ; v1(57.176,-0.596) 57.243,-0.596 57.589,-0.25 MS11.3 ; v1(77.089,-0.381) 77.156,-0.381 77.287,-0.25 MS15.3
  Layer 2 w0.254: v1(-81.661,-1.778) -79.756,-1.778 -77.597,-3.937 -66.23,-3.937 v1(-62.89,-0.596) -62.216,-1.27 -43.563,-1.27 v1(-42.89,-0.596) -42.216,-1.27 -23.563,-1.27 v1(-22.89,-0.596) -22.216,-1.27 -3.563,-1.27 v1(-2.89,-0.596) -2.216,-1.27 16.437,-1.27 v1(17.11,-0.596) 17.784,-1.27 36.437,-1.27 v1(37.11,-0.596) 37.784,-1.27 56.503,-1.27 v1(57.176,-0.596) 57.996,-1.416 76.054,-1.416 v1(77.089,-0.381) 74.93,-0.381 72.517,2.032 72.517,5.824 72.263,6.078 v1(72.263,6.096)
  Bottom Layer w0.254: v1(72.263,6.096) 72.269,6.09 72.269,4.607 U1.26
SWDCLK: U1.36 U4.2 | length 163
  Layer 1 w0.254: v1(-74.676,-2.286) -74.629,-2.239 -74.375,-2.239 -72.39,-0.254 -72.39,2.413 -70.485,4.318 77.718,4.318 v1(79.474,6.073)
  Bottom Layer w0.254: U4.2 -76.474,-1.273 -75.689,-1.273 v1(-74.676,-2.286) ; U1.36 79.276,5.809 79.474,6.007 v1(79.474,6.073)
SWDIO: U1.37 U4.1 | length 164.7
  Layer 1 w0.254: v1(-74.676,-3.302) -74.629,-3.255 -74.375,-3.255 -71.755,-0.635 -71.755,1.905 -69.977,3.683 77.972,3.683 v1(80.363,6.073)
  Bottom Layer w0.254: U4.1 -76.474,-1.773 -76.454,-1.773 -76.454,-2.159 -75.311,-3.302 v1(-74.676,-3.302) ; U1.37 80.037,4.661 80.037,5.681 80.363,6.007 v1(80.363,6.073)
SWO: U1.32 U4.3 | length 162.4
  Layer 1 w0.254: v1(-74.676,-1.27) -74.06,-0.654 -74.06,5.061 -72.644,6.477 64.198,6.477 65.341,5.334 75.946,5.334 v1(76.708,6.096)
  Bottom Layer w0.254: U4.3 -75.196,-0.75 v1(-74.676,-1.27) ; U1.32 76.476,5.797 76.708,6.029 v1(76.708,6.096)
TXD: U1.19 U4.6 | length 157.5
  Layer 1 w0.254: v1(-74.695,1.378) -76.581,-0.508 -76.581,-3.556 -75.184,-4.953 62.738,-4.953 v1(68.453,0.762)
  Bottom Layer w0.254: U4.6 -75.323,0.75 v1(-74.695,1.378) ; v1(68.453,0.762) 68.484,0.731 70.145,0.731 U1.19
VBAT: Q1.3 U2.1 | length 16.4
  Top Layer w0.254: Q1.3 -65.405,-0.127 -65.15,-0.127 -61.594,-3.683 -57.68,-3.683 -54.844,-0.847 U2.1
VBUSIN: D1.1 Q1.1 R4.2 U4.7 | length 10.4
  Top Layer w0.254: v1(-74.676,2.379) -73.169,2.379 -72.263,1.473 D1.1 -72.214,1.397 R4.2 -70.456,1.324 -70.456,0.657 -70.307,0.508 -68.515,0.508 -68.2,0.823 Q1.1
  Bottom Layer w0.254: U4.7 -76.474,1.273 -75.782,1.273 v1(-74.676,2.379)
pads on no net: MS2.1 MS2.4 MS2.7 MS2.9 MS2.10 MS2.14 MS2.16 MS2.17 MS3.1 MS3.4 MS3.7 MS3.9 MS3.10 MS3.14 MS3.16 MS3.17 MS4.1 MS4.4 MS4.7 MS4.9 MS4.10 MS4.14 MS4.16 MS4.17 MS5.1 MS5.4 MS5.7 MS5.9 MS5.10 MS5.14 MS5.16 MS5.17 MS7.1 MS7.4 MS7.7 MS7.9 MS7.10 MS7.14 MS7.16 MS7.17 MS9.1 MS9.4 MS9.7 MS9.9 MS9.10 MS9.14 MS9.16 MS9.17 MS10.1 MS10.4 MS10.7 MS10.9 MS10.10 MS10.14 MS10.16 MS10.17 MS11.1 MS11.4 MS11.7 MS11.9 MS11.10 MS11.14 MS11.16 MS11.17 MS15.1 MS15.4 MS15.7 MS15.9 MS15.10 MS15.14 MS15.16 MS15.17 SW1.5 U1.2 U1.3 U1.4 U1.5 U1.6 U1.7 U1.8 U1.30 U1.34 U1.38 U1.40 U1.41 U3.4 U4.0

## Polygon pours and split planes (outlines as drawn)
GND on Layer 2 "GND_L03_P002" (solid, remove dead copper, pour order 2): -82.8,-4.5 ccw(c-81.3,-4.5) -81.3,-6 84.7,-6 ccw(c84.7,-4.5) 86.2,-4.5 86.2,5.5 ccw(c84.7,5.5) 84.7,7 -81.3,7 ccw(c-81.3,5.5) -82.8,5.5
GND on Bottom Layer "GND_L04_P003" (solid, remove dead copper, pour order 3): -82.8,-4.5 ccw(c-81.3,-4.5) -81.3,-6 84.7,-6 ccw(c84.7,-4.5) 86.2,-4.5 86.2,5.5 ccw(c84.7,5.5) 84.7,7 -81.3,7 ccw(c-81.3,5.5) -82.8,5.5
GND on Layer 1 "GND_L02_P001" (solid, remove dead copper, pour order 1): -82.8,-4.5 ccw(c-81.3,-4.5) -81.3,-6 84.7,-6 ccw(c84.7,-4.5) 86.2,-4.5 86.2,5.5 ccw(c84.7,5.5) 84.7,7 -81.3,7 ccw(c-81.3,5.5) -82.8,5.5
GND on Top Layer "GND_L01_P000" (solid, remove dead copper, pour order 0): -82.8,-4.5 ccw(c-81.3,-4.5) -81.3,-6 84.7,-6 ccw(c84.7,-4.5) 86.2,-4.5 86.2,5.5 ccw(c84.7,5.5) 84.7,7 -81.3,7 ccw(c-81.3,5.5) -82.8,5.5

## Keep-outs
Keep-Out Layer:
  the board outline again, w0.254

## Other copper
Multi-Layer:
  pour cut-out: 92.456,23.685 81.915,23.685 81.915,-17.59 92.456,-17.59

## Text inside footprints (layer, text, board x,y; h text height)
U1: Mechanical 13 "No ground pad" at 84.131,-3.937 h0.64 r270